# Altium PCB PROC114E3_BRD.PcbDoc (part 8 of 18)
Units mm, origin at the board's own origin, x right, y up, seen from the top; angles counter-clockwise.
Board outline 85 x 155.18 mm, 10 copper layers (TOP, L02_GND1, L03_SIG1, L04_GND2, L05_PWR1, L06_PWR2, L07_GND3, L08_SIG2, L09_GND4, BOTTOM), stack 1.134 mm thick; 1389 components, 1010 nets, 5137 pads, 3263 vias.
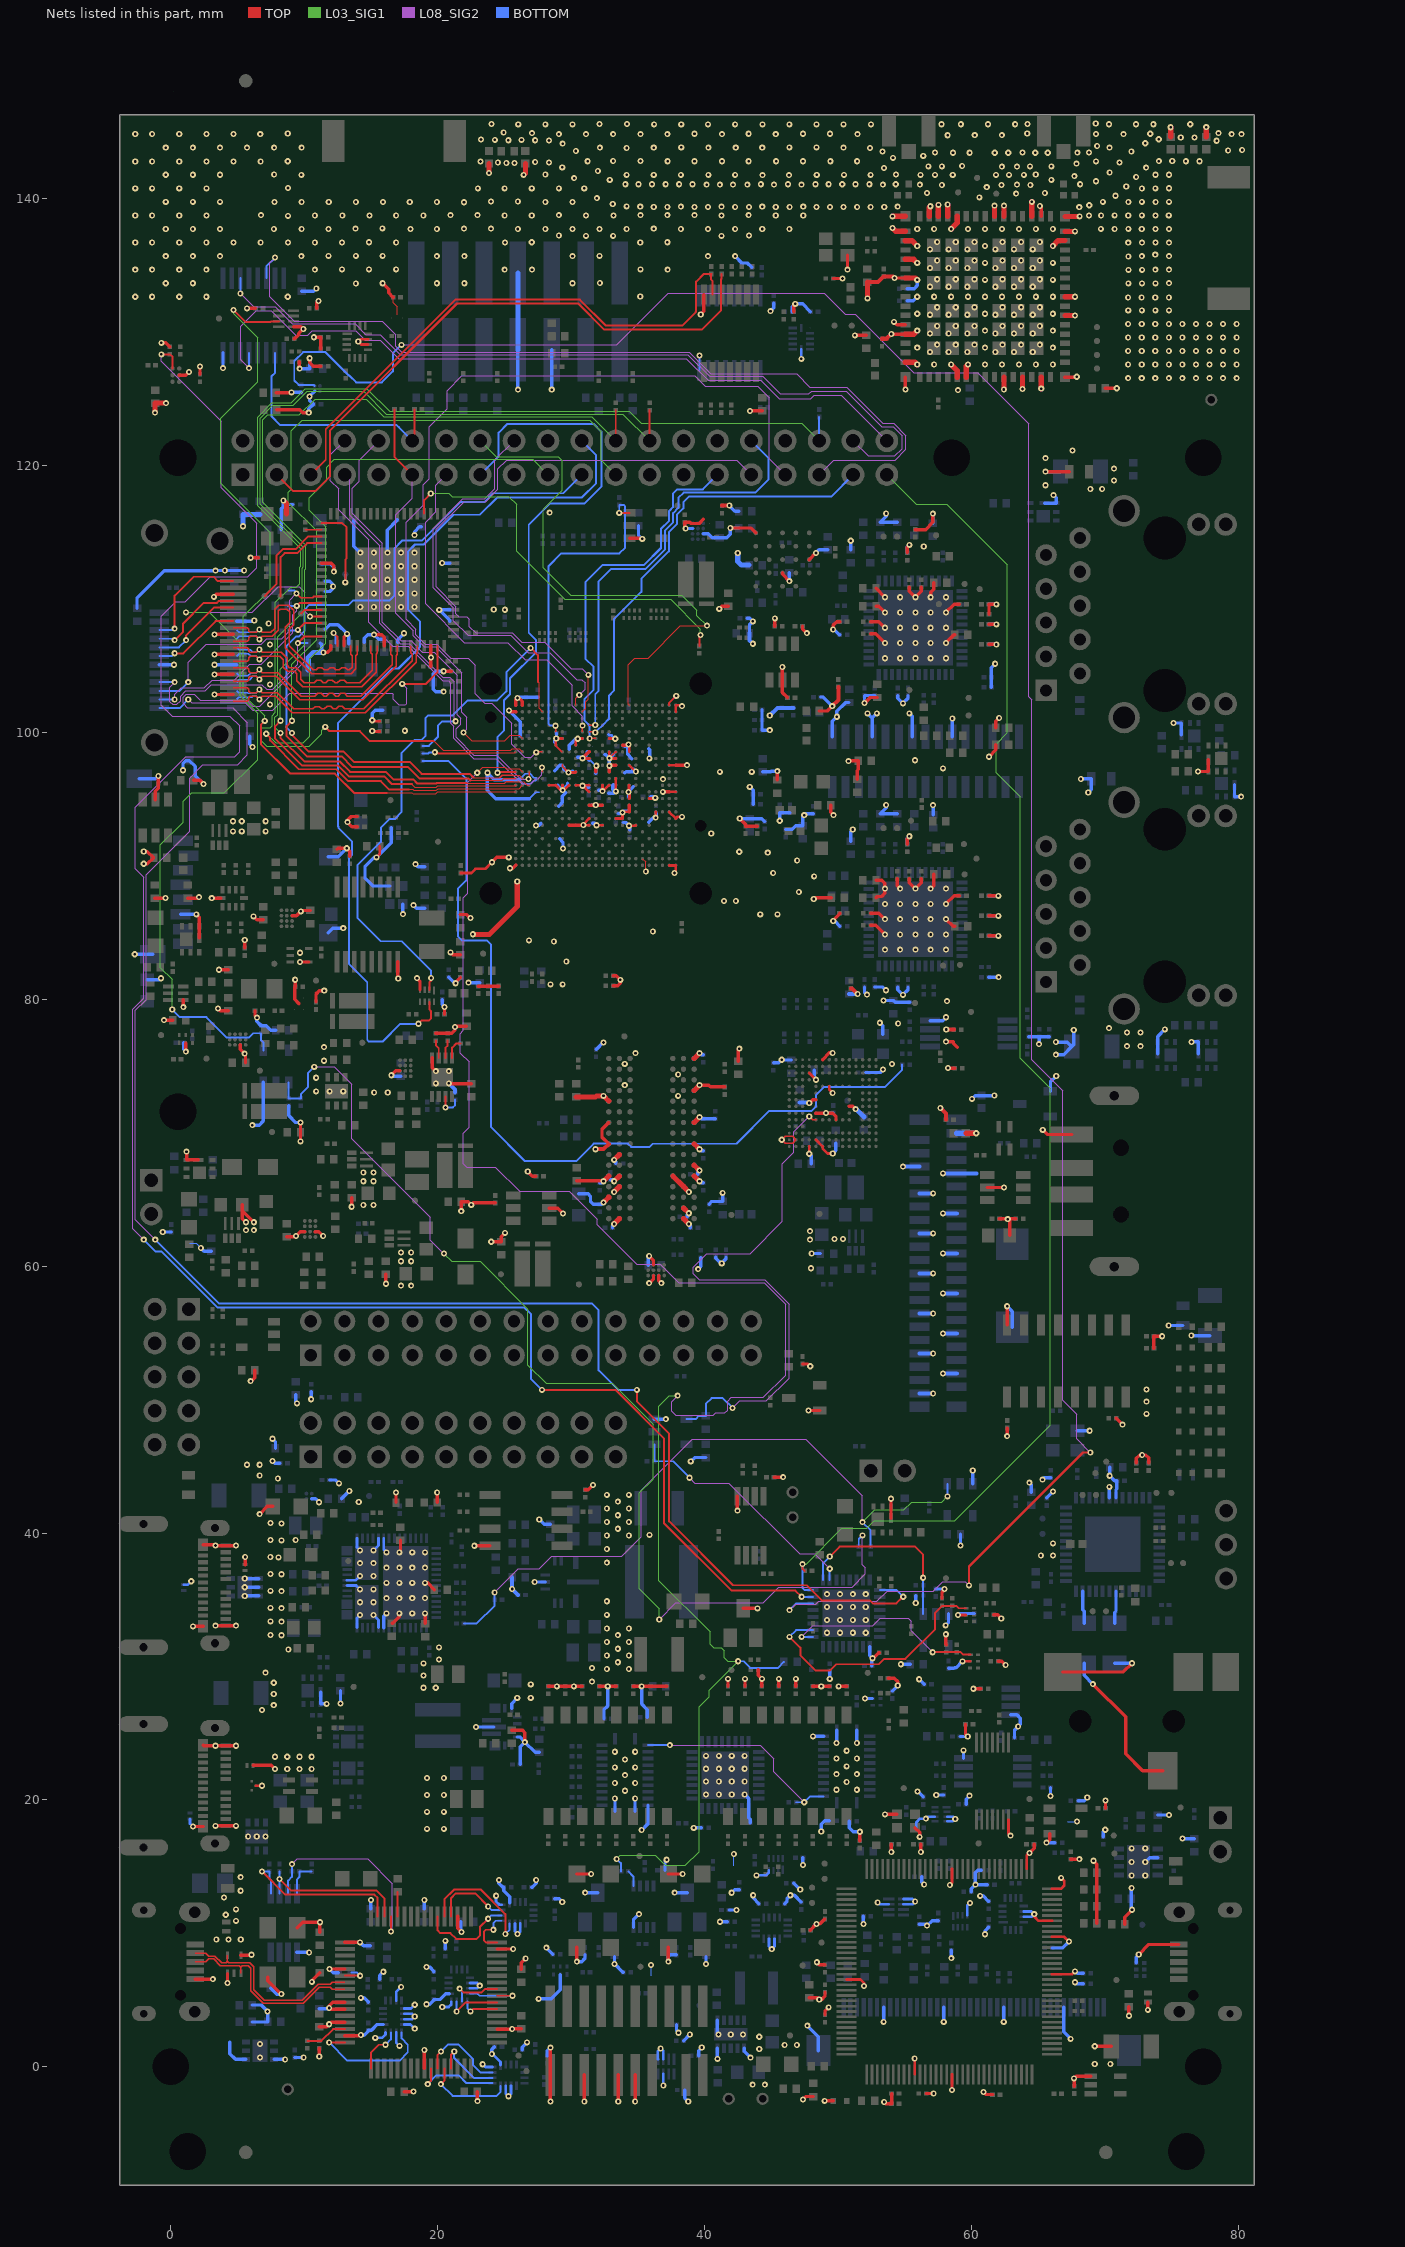
[diagram p16: the nets of this part, all layers, seen from the top]

## Via types
v1: diameter 0.457, hole 0.203, TOP to BOTTOM, 3263 vias

## Nets (pads, with @x,y where several pads share a name; then routed paths per layer and width w, separated by ;. In a path a pad name is that pad's centre, name@x,y a point inside that pad or via, vN(x,y) a via of type N, cw(c..) or ccw(c..) an arc to the next point about the centre after c; other vN are vias at no path point) (continued)
DGND: (continued)
  other v1: 43.618,-1.344 44.532,-1.344 69.254,0.213 70.423,0.213 6.698,0.691 44.108,1.331 46.013,1.636 46.928,1.636 6.698,1.707 44.108,2.245 41.975,2.423 42.889,2.423 4.891,10.932 4.129,11.389 4.891,11.796 4.002,12.685 5.246,13.193 5.246,14.209 72.023,14.336 73.039,14.336 72.023,15.352 72.023,16.368 73.039,16.368 5.804,17.259 6.454,17.259 7.104,17.259 19.205,17.831 20.475,17.831 19.205,19.101 20.475,19.101 19.205,20.371 20.475,20.371 40.121,20.406 41.086,20.406 42.051,20.406 34.05,20.686 49.9,20.762 51.424,20.762 33.288,21.27 34.812,21.27 50.662,21.346 40.121,21.372 41.086,21.372 42.051,21.372 43.016,21.372 19.205,21.641 20.475,21.641 34.05,21.854 49.9,21.93 51.424,21.93 8.739,22.317 9.653,22.317 10.568,22.317 40.121,22.337 41.086,22.337 42.051,22.337 43.016,22.337 33.288,22.438 34.812,22.438 50.662,22.515 34.05,23.023 49.9,23.099 51.424,23.099 7.824,23.231 8.739,23.231 9.653,23.231 10.568,23.231 40.121,23.302 41.086,23.302 42.051,23.302 43.016,23.302 33.288,23.607 34.812,23.607 50.662,23.683 6.847,26.744 7.724,27.099 26.989,27.645 7.724,27.937 18.95,28.407 19.864,28.407 26.989,28.661 7.724,28.776 31.57,28.865 18.95,29.322 7.11,29.538 32.688,29.804 34.339,29.804 31.57,29.881 18.95,30.236 33.514,30.312 20.105,30.516 32.688,30.82 34.339,30.82 8.82,31.278 33.514,31.328 20.105,31.43 32.688,31.836 34.339,31.836 8.3,32.339 33.514,32.344 7.487,32.364 49.194,32.524 50.159,32.524 51.124,32.524 52.089,32.524 32.688,32.852 34.339,32.852 8.3,33.355 7.487,33.38 49.194,33.489 50.159,33.489 51.124,33.489 52.089,33.489 32.688,33.868 18.103,33.979 8.3,34.371 7.487,34.396 49.194,34.454 50.159,34.454 51.124,34.454 52.089,34.454 32.688,34.884 16.172,35.122 17.138,35.122 18.103,35.122 19.068,35.122 49.194,35.419 50.159,35.419 51.124,35.419 52.089,35.419 8.3,35.641 7.487,35.666 16.172,36.265 17.138,36.265 18.103,36.265 8.3,36.911 7.487,36.936 16.172,37.408 17.138,37.408 18.103,37.408 19.068,37.408 32.688,37.78 8.079,38.181 7.469,38.206 65.216,38.313 66.13,38.313 18.103,38.551 19.068,38.551 32.688,38.796 66.13,39.228 8.3,39.451 7.487,39.476 9.368,39.472 32.688,39.812 34.339,39.812 35.879,39.863 33.514,40.32 8.3,40.721 7.487,40.746 32.688,40.828 34.339,40.828 33.514,41.336 32.688,41.844 34.339,41.844 14.098,42.321 33.514,42.352 32.688,42.86 34.339,42.86 8.035,44.079 6.669,44.308 5.724,45.121 6.669,45.121 73.141,48.929 73.141,49.844 10.53,50.023 73.141,50.758 17.261,58.54 18.023,58.54 47.987,59.84 17.261,60.369 18.023,60.369 17.261,61.029 18.023,61.029 47.918,61.986 49.747,62.037 50.382,62.037 47.918,62.621 5.644,62.698 6.233,62.698 14.441,64.585 15.203,64.585 14.441,66.363 15.203,66.363 14.441,67.023 15.203,67.023 38.034,72.766 15.254,73.01 16.27,73.01 10.901,73.103 11.917,73.103 12.933,73.103 34.034,73.566 19.874,73.698 10.901,74.119 38.034,74.366 20.85,74.612 54.065,75.143 34.034,75.165 11.495,75.397 34.834,75.966 49.61,75.981 11.495,76.413 54.522,78.191 58.177,79.863 28.471,81.123 29.38,81.123 29.651,82.828 9.691,83.487 53.53,83.717 54.673,83.717 55.816,83.717 56.959,83.717 58.102,83.717 28.716,84.338 26.862,84.414 54.673,84.86 55.816,84.86 56.959,84.86 58.102,84.86 36.138,85.084 54.673,86.003 55.816,86.003 56.959,86.003 44.184,86.369 45.472,86.369 53.53,87.146 54.673,87.146 55.816,87.146 56.959,87.146 41.464,87.366 42.361,87.366 47.08,88.047 58.102,88.289 48.223,89.215 45.15,89.471 46.952,90.406 44.745,90.993 42.615,91.055 40.513,92.431 4.668,92.584 5.328,92.584 7.118,92.584 4.668,93.346 5.328,93.346 7.118,93.346 36.899,96.501 41.159,97.047 43.547,97.047 57.879,97.31 55.784,97.917 17.551,100.127 7.448,102.096 7.448,103.596 7.448,105.096 53.53,105.561 54.673,105.561 55.816,105.561 56.959,105.561 58.102,105.561 7.448,106.596 54.673,106.704 55.816,106.704 56.959,106.704 54.673,107.847 55.816,107.847 56.959,107.847 58.102,107.847 7.345,108.157 54.673,108.99 55.816,108.99 56.959,108.99 25.044,109.195 24.211,109.22 14.213,109.408 15.229,109.408 16.245,109.408 17.261,109.408 18.277,109.408 54.673,110.133 58.102,110.133 14.213,110.424 15.229,110.424 16.245,110.424 17.261,110.424 18.277,110.424 14.213,111.44 15.229,111.44 16.245,111.44 17.261,111.44 18.277,111.44 14.213,112.456 15.229,112.456 16.245,112.456 17.261,112.456 18.277,112.456 20.344,112.691 15.229,113.472 17.261,113.472 18.277,113.472 56.439,113.927 28.4,116.471 65.571,118.527 65.571,120.559 67.582,121.135 59.004,125.654 71.758,126.551 72.774,126.551 73.79,126.551 74.806,126.551 75.822,126.551 76.838,126.551 77.854,126.551 78.87,126.551 79.886,126.551 57.222,127.569 61.032,127.569 62.302,127.569 63.572,127.569 64.842,127.569 66.112,127.569 71.758,127.567 72.774,127.567 73.79,127.567 74.806,127.567 75.822,127.567 76.838,127.567 77.854,127.567 78.87,127.567 79.886,127.567 56.908,128.503 58.307,128.503 59.708,128.503 61.808,128.503 63.207,128.503 64.607,128.503 71.758,128.583 72.774,128.583 73.79,128.583 74.806,128.583 75.822,128.583 76.838,128.583 77.854,128.583 78.87,128.583 79.886,128.583 55.952,128.839 61.032,128.839 66.112,128.839 57.441,129.062 58.841,129.062 60.241,129.062 62.341,129.062 63.741,129.062 65.141,129.062 71.758,129.599 72.774,129.599 73.79,129.599 74.806,129.599 75.822,129.599 76.838,129.599 77.854,129.599 78.87,129.599 79.886,129.599 56.908,129.903 58.307,129.903 59.708,129.903 61.808,129.903 63.207,129.903 64.607,129.903 61.032,130.109 66.112,130.109 57.441,130.462 58.841,130.462 60.241,130.462 62.341,130.462 63.741,130.462 65.141,130.462 71.758,130.615 72.774,130.615 73.79,130.615 74.806,130.615 75.822,130.615 76.838,130.615 77.854,130.615 78.87,130.615 79.886,130.615 56.908,131.303 58.307,131.303 59.708,131.303 61.808,131.303 63.207,131.303 64.607,131.303 55.952,131.379 61.032,131.379 66.112,131.379 71.767,131.633 72.783,131.633 73.799,131.633 74.815,131.633 57.441,131.862 58.841,131.862 60.241,131.862 62.341,131.862 63.741,131.862 65.141,131.862 71.758,132.594 72.774,132.594 73.79,132.594 74.806,132.594 -2.657,132.651 -1.387,132.651 0.645,132.651 2.677,132.651 8.773,132.651 57.222,132.649 58.492,132.649 59.762,132.649 61.032,132.649 62.302,132.649 63.572,132.649 64.842,132.649 66.112,132.649 35.191,132.672 56.908,133.403 58.307,133.403 59.708,133.403 61.808,133.403 63.207,133.403 64.607,133.403 13.88,133.638 -0.368,133.663 1.664,133.663 19.948,133.664 22.008,133.663 30.111,133.663 71.772,133.657 72.788,133.657 73.804,133.657 32.168,133.688 74.816,133.668 61.032,133.919 66.112,133.919 57.441,133.962 58.841,133.962 60.241,133.962 62.341,133.962 63.741,133.962 65.141,133.962 -2.657,134.683 -1.387,134.683 0.645,134.683 2.677,134.683 10.807,134.679 25.031,134.679 27.088,134.679 37.248,134.679 71.789,134.669 72.805,134.669 73.796,134.681 74.827,134.68 12.839,134.704 14.871,134.704 16.903,134.704 35.216,134.704 56.908,134.803 58.307,134.803 59.708,134.803 61.808,134.803 63.207,134.803 64.607,134.803 61.032,135.189 66.112,135.189 57.441,135.362 58.841,135.362 60.241,135.362 62.341,135.362 63.741,135.362 65.141,135.362 71.77,135.669 -0.368,135.695 1.664,135.695 3.696,135.695 9.791,135.695 19.948,135.696 22.008,135.695 30.111,135.695 40.271,135.695 72.782,135.696 74.818,135.696 11.823,135.72 13.88,135.72 15.887,135.72 32.143,135.72 73.793,135.808 56.908,136.203 58.307,136.203 59.708,136.203 61.808,136.203 63.207,136.203 64.607,136.203 61.032,136.459 -2.657,136.715 -1.387,136.715 0.645,136.715 2.677,136.715 4.709,136.715 6.741,136.715 8.8,136.711 10.807,136.711 12.839,136.711 16.903,136.711 25.056,136.711 35.191,136.711 71.766,136.706 72.793,136.703 73.803,136.713 74.827,136.703 14.871,136.736 27.063,136.736 37.223,136.736 57.441,136.762 58.841,136.762 60.241,136.762 62.341,136.762 63.741,136.762 65.141,136.762 31.127,137.219 33.159,137.219 41.287,137.219 29.095,137.244 43.344,137.244 -0.368,137.727 1.664,137.727 3.696,137.727 7.733,137.727 9.816,137.727 11.823,137.727 17.969,137.727 19.951,137.727 26.021,137.727 28.079,137.727 30.111,137.727 32.143,137.727 34.175,137.727 38.239,137.727 40.271,137.727 42.303,137.727 44.335,137.727 46.367,137.727 55.952,137.729 57.222,137.729 59.762,137.729 61.032,137.729 62.302,137.729 63.572,137.729 64.842,137.729 66.112,137.729 70.748,137.729 72.781,137.727 73.804,137.726 74.817,137.727 13.855,137.752 21.983,137.752 24.015,137.752 36.207,137.752 69.712,137.738 71.77,137.738 15.861,137.778 8.8,138.718 -2.655,138.745 -1.385,138.745 0.647,138.745 2.679,138.745 10.807,138.743 12.864,138.743 14.896,138.743 16.903,138.743 18.935,138.743 25.031,138.743 27.063,138.743 31.127,138.743 33.184,138.743 41.287,138.743 45.351,138.743 47.408,138.743 68.829,138.738 69.734,138.743 71.766,138.745 73.8,138.739 6.768,138.768 20.967,138.768 22.999,138.768 29.095,138.768 35.216,138.768 37.223,138.768 39.255,138.768 43.319,138.768 70.747,138.749 72.781,138.749 74.804,138.749 36.207,139.378 37.223,139.378 39.255,139.378 40.271,139.378 42.303,139.378 43.344,139.378 45.351,139.378 46.392,139.378 48.399,139.378 49.415,139.378 50.431,139.378 51.447,139.378 52.463,139.378 53.479,139.378 68.096,139.369 35.191,139.403 38.239,139.403 41.287,139.403 44.335,139.403 47.408,139.403 54.486,139.402 34.175,139.429 68.843,139.507 33.133,139.607 21.983,139.734 -0.366,139.763 1.666,139.763 3.698,139.763 7.784,139.759 9.816,139.759 11.848,139.759 13.88,139.759 15.912,139.759 17.919,139.759 19.951,139.759 28.079,139.759 30.111,139.759 71.77,139.749 73.816,139.76 74.814,139.762 24.015,139.784 26.021,139.784 69.865,139.766 72.785,139.764 31.939,140.038 60.605,140.102 70.817,140.22 63.362,140.376 56.679,140.419 65.518,140.419 -2.655,140.777 -1.385,140.777 0.647,140.777 2.679,140.777 23.024,140.775 25.031,140.775 27.063,140.775 29.095,140.775 31,140.775 72.781,140.772 73.799,140.779 8.8,140.8 74.816,140.784 61.163,140.864 71.616,140.908 57.797,141.029 62.265,141.031 64.426,141.029 40.169,141.054 41.16,141.054 42.15,141.054 43.217,141.054 45.224,141.054 47.281,141.054 53.377,141.054 56.146,141.054 63.435,141.054 34.073,141.08 35.064,141.08 36.08,141.08 37.096,141.08 38.112,141.08 39.102,141.08 44.233,141.08 46.265,141.08 48.322,141.08 49.313,141.08 50.329,141.08 51.32,141.08 52.361,141.08 54.342,141.08 68.16,141.08 69.354,141.308 32.905,141.41 66.002,141.416 30.238,141.537 72.357,141.619 67.728,141.689 44.36,141.766 46.341,141.766 -0.369,141.793 1.663,141.793 3.695,141.793 9.791,141.791 34.175,141.791 36.207,141.791 38.239,141.791 40.296,141.791 42.303,141.791 48.424,141.791 50.456,141.791 52.463,141.791 56.196,141.791 57.289,141.791 58.609,141.791 61.861,141.791 62.826,141.791 63.943,141.791 73.804,141.795 74.813,141.793 7.759,141.816 28.079,141.816 54.368,141.816 64.832,141.816 70.37,141.969 32.016,142.07 53.453,142.299 29.349,142.35 73.105,142.33 62.292,142.401 63.435,142.401 56.781,142.426 57.797,142.426 64.401,142.426 66.005,142.426 59.321,142.451 67.88,142.629 25.158,142.68 25.767,142.68 24.523,142.705 28.358,142.705 71.106,142.705 27.317,142.756 -2.655,142.784 -1.385,142.784 0.647,142.784 2.679,142.784 4.711,142.784 6.743,142.782 23.227,142.782 8.775,142.807 31.254,142.807 37.248,142.807 39.255,142.807 41.312,142.807 43.319,142.807 45.376,142.807 47.383,142.807 49.44,142.807 51.447,142.807 69.356,142.799 74.06,142.811 76.084,142.809 77.099,142.809 33.159,142.832 35.216,142.832 75.067,142.826 54.139,143.061 56.4,143.213 58.635,143.442 59.879,143.442 61.759,143.442 62.775,143.442 64.798,143.44 65.732,143.445 57.289,143.467 63.842,143.467 67.953,143.451 68.83,143.456 53.352,143.544 71.995,143.544 30.365,143.569 79.249,143.612 80.301,143.645 34.175,143.798 52.412,143.798 -0.369,143.825 1.663,143.825 3.695,143.825 5.727,143.825 7.759,143.823 9.816,143.823 32.168,143.823 36.207,143.823 40.296,143.823 42.353,143.823 44.335,143.823 50.431,143.823 70.367,143.822 38.264,143.848 46.367,143.848 48.399,143.848 69.432,143.952 29.374,144.128 73.037,144.153 28.358,144.356 78.391,144.344 25.31,144.382 27.317,144.382 24.294,144.407 26.301,144.407 23.253,144.433 74.053,144.458 75.7,144.592 76.724,144.592 58.228,144.757 60.259,144.76 62.295,144.76 -2.655,144.841 -1.385,144.841 0.647,144.841 2.679,144.841 4.711,144.841 6.717,144.839 29.095,144.839 31.127,144.839 33.159,144.839 35.216,144.839 37.223,144.839 41.312,144.839 45.351,144.839 51.472,144.839 71.411,144.839 79.514,144.839 80.25,144.839 39.255,144.864 43.319,144.864 47.383,144.864 49.415,144.864 69.356,144.845 73.418,144.864 8.775,144.89 64.2,144.892 27.088,144.915 78.523,144.915 24.954,144.966 26.047,145.576 28.079,145.576 30.111,145.576 36.232,145.576 38.264,145.576 40.271,145.576 42.303,145.576 44.36,145.576 46.367,145.576 48.399,145.576 50.431,145.576 52.488,145.576 57.774,145.578 59.219,145.578 61.248,145.578 63.291,145.578 70.317,145.577 72.351,145.577 73.649,145.578 24.04,145.601 32.143,145.601 34.2,145.601 64.213,145.601 76.413,145.581 69.331,145.628
DIR:  | length 16.3
  L08_SIG2 w0.091: v1(37.413,24.104) 44.195,24.104 45.201,23.099 45.201,22.108 v1(47.487,19.822)
  BOTTOM w0.147: 35.775,24.104 v1(37.413,24.104) ; 46.877,19.822 v1(47.487,19.822) 47.929,20.265 48.937,20.265
DRAIN1:  | length 3.2
  BOTTOM w0.203: 13.22,36.465 13.877,36.465 v1(14.187,36.775) ; 13.97,39.615 13.97,38.922 v1(14.187,38.705) ; v1(15.203,38.705) 15.57,39.072 15.57,39.615
  other v1: 15.203,36.775 14.187,37.74 15.203,37.74
DRAIN2:  | length 3.2
  BOTTOM w0.203: 13.22,36.065 13.902,36.065 v1(14.187,35.78) ; 13.97,32.915 13.97,33.633 v1(14.187,33.85) ; v1(15.203,33.85) 15.57,33.483 15.57,32.915
  other v1: 14.187,34.815 15.203,34.815 15.203,35.78
EEPROM_A0:  | length 1.5
  TOP w0.147: 21.092,75.605 21.092,76.384 21.394,76.686 21.72,76.686
EEPROM_A1:  | length 1.4
  TOP w0.147: 20.592,75.605 20.592,76.367 20.76,76.535 20.76,76.897
EEPROM_A2:  | length 1.4
  TOP w0.147: 19.871,76.897 19.871,76.546 20.092,76.324 20.092,75.605
EEPROM_VDD:  | length 2.2
  TOP w0.381: 59.59,69.959 v1(60.376,69.959)
  BOTTOM w0.381: 58.912,69.959 v1(60.376,69.959)
EEPROM_WP:  | length 2
  TOP w0.147: v1(20.592,71.892) 20.592,72.705
  BOTTOM w0.147: v1(20.592,71.892) 21.147,71.892 21.325,72.07 21.325,72.476
EMMC_RSTN:  | length 41.7
  TOP w0.147: v1(47.86,71.222) 48.11,70.972 48.36,70.972
  L08_SIG2 w0.091: v1(42.113,49.378) 42.638,49.903 44.653,49.903 46.357,51.607 46.357,57.154 44.542,58.969 39.609,58.969 39.157,59.421 39.157,59.935 40.167,60.945 43.421,60.945 45.836,63.359 45.836,67.68 46.699,68.543 46.699,70.061 v1(47.86,71.222)
  BOTTOM w0.147: 38.651,48.537 39.346,48.537 39.581,48.773 40.114,48.773 40.114,49.69 40.538,50.114 41.377,50.114 v1(42.113,49.378)
ETH1_EARTH: 
  other v1: 71.667,76.49 72.683,76.49 71.667,77.506 72.683,77.506 70.321,77.836
ETH2_EARTH: 
  other v1: 68.924,118.247 69.813,118.247 70.702,118.882 70.702,119.771
EXP_CLKOUT0:  | length 26.4
  L08_SIG2 w0.091: 13.037,119.314 13.413,118.938 13.413,116.271 15.676,114.009 15.676,108.177 17.189,106.664 17.315,106.664 17.327,106.652 17.88,106.652 20.41,104.121 20.918,104.121 21.243,103.797 21.243,100.948 v1(21.355,100.835)
  BOTTOM w0.147: 18.876,98.992 19.348,98.992 20.05,99.694 20.05,100.538 20.348,100.835 v1(21.355,100.835)
EXP_EHRPWM1_B:  | length 67
  TOP w0.102: v1(27.402,98.507) 27.44,98.545 27.86,98.545
  L08_SIG2 w0.091: v1(27.402,98.507) 27.035,98.14 26.534,98.14 25.551,99.122 25.551,100.7 24.054,102.197 23.531,102.197 22.838,102.889 22.838,105.047 22.313,105.573 20.998,105.573 19.953,106.618 19.098,106.618 18.383,107.333 18.383,107.728 17.644,108.466 17.644,115.757 18.913,117.026 18.913,118.564 19.369,119.02 19.369,122.909 20.73,124.27 20.73,125.622 21.831,126.722 39.294,126.722 40.082,125.934 43.982,125.934 44.846,125.07 44.846,120.525 46.057,119.314
EXP_GPIO0_14:  | length 67.6
  TOP w0.147: v1(18.569,78.166) 18.797,78.395 19.357,78.395 19.505,78.542 19.505,79.122 19.385,79.242 19.385,79.812
  BOTTOM w0.147: v1(18.569,78.166) 17.206,78.166 15.875,76.835 14.859,76.835 14.732,76.962 14.732,81.293 13.359,82.666 13.359,90.575 13.6,90.816 13.6,91.81 12.584,92.826 12.584,92.917 12.549,92.953 12.549,100.719 16.62,104.791 17.075,104.791 18.673,106.388 18.673,108.327 17.78,109.22 17.78,113.554 18.311,114.085 18.967,114.085 21.197,116.314 23.177,116.314 24.469,117.605 30.822,117.605 31.894,118.677 31.894,120.777 30.817,121.854
EXP_GPIO0_14_LT:  | length 42.3
  TOP w0.081: 27.52,103.796 27.611,103.705 27.611,101.795 27.86,101.545
  TOP w0.147: 19.385,80.712 19.385,81.268 19.521,81.404 v1(19.521,81.595) ; v1(26.976,106.334) 27.52,105.79 27.52,103.796
  BOTTOM w0.147: v1(19.521,81.595) 19.521,82.154 17.324,84.351 15.762,84.351 13.989,86.124 13.989,90.033 15.762,91.806 15.762,92.873 16.397,93.508 16.778,93.508 17.311,94.041 17.311,98.461 18.302,99.451 18.81,99.451 19.089,99.731 19.089,101.051 19.318,101.28 21.143,101.28 22.242,102.379 24.456,102.379 25.156,103.08 25.156,104.513 v1(26.976,106.334)
EXP_GPIO0_33:  | length 49.2
  TOP w0.081: 30.86,101.545 31.111,101.795 31.111,102.311 31.3,102.501 v1(31.3,104.318)
  L08_SIG2 w0.091: v1(31.3,104.318) 30.836,104.782 30.023,104.782 28.052,106.753 26.329,106.753 25.607,107.475 22.85,107.475 22.39,107.936 22.39,108.488 22.198,108.679 21.6,108.679 21.381,108.898 21.381,109.417 19.898,110.901 19.898,115.214 21.987,117.303 23.615,117.303 24.527,118.215 24.527,119.75 25.191,120.413 42.418,120.413 43.517,119.314
EXP_GPIO0_36:  | length 28
  TOP w0.102: v1(31.401,99.545) 31.86,99.545
  BOTTOM w0.147: v1(31.401,99.545) 31.401,100.512 31.005,100.908 31.005,102.503 31.705,103.203 31.705,104.908 31.087,105.527 31.087,111.267 32.353,112.533 35.458,112.533 36.747,113.822 36.747,115.25 37.356,115.859 37.356,116.594 37.669,116.907 37.657,116.92 37.657,117.908 37.97,118.222 39.885,118.222 40.977,119.314
EXP_GPIO0_38:  | length 39.9
  TOP w0.081: 34.36,102.045 34.293,102.113 34.293,105.084 34.784,105.575 35.776,105.575 38.202,108.001 v1(40.197,108.001)
  L03_SIG1 w0.091: 23.197,121.854 24.393,120.658 29.055,120.658 29.342,120.371 29.342,118.149 27.905,116.712 27.905,112.353 29.967,110.291 38.3,110.291 39.439,109.152 39.439,108.759 v1(40.197,108.001)
EXP_GPIO0_39:  | length 31.3
  TOP w0.081: 30.36,102.045 30.36,102.544 v1(30.625,102.808)
  L08_SIG2 w0.091: 25.737,121.854 24.301,120.418 24.301,118.263 23.535,117.496 21.907,117.496 19.689,115.278 19.689,110.836 21.188,109.337 21.188,108.373 22.289,107.272 25.5,107.272 26.794,105.978 28.414,105.978 30.434,103.958 30.814,103.958 31.057,103.715 31.057,103.24 v1(30.625,102.808)
EXP_GPIO0_40/PR0_ECAP0_IN_APWM_:  | length 32.3
  TOP w0.102: 31.361,100.545 31.806,100.545 v1(31.82,100.559)
  BOTTOM w0.147: v1(31.82,100.559) 31.82,102.872 32.081,103.133 32.081,111.33 32.989,112.239 35.583,112.239 37.041,113.697 37.041,115.128 37.65,115.737 37.65,116.434 38.052,116.836 38.052,117.584 38.439,117.971 43.81,117.971 44.791,118.952 44.791,120.58 43.517,121.854
EXP_GPIO0_41:  | length 34
  TOP w0.102: 31.361,100.045 31.774,100.045 31.818,100.001 v1(31.82,100.001)
  BOTTOM w0.102: v1(31.82,100.001) 32.52,100.7 32.527,100.7 32.738,100.911
  BOTTOM w0.147: 32.738,100.911 32.852,101.025 32.852,102.754 33.223,103.125 33.223,108.468 35.282,110.527 35.282,111.521 37.336,113.575 37.336,115.006 37.945,115.614 37.945,116.312 38.426,116.793 38.426,117.265 38.837,117.676 49.5,117.676 51.137,119.314
EXP_GPIO0_42:  | length 27.6
  TOP w0.102: 30.86,100.045 v1(30.86,100.505)
  L08_SIG2 w0.091: 20.657,119.314 19.879,118.536 19.879,116.533 19.11,115.764 19.11,109.632 22.018,106.723 25.272,106.723 26.566,105.429 28.186,105.429 30.086,103.529 30.086,101.995 30.86,101.221 v1(30.86,100.505)
EXP_GPIO1_22:  | length 44.1
  TOP w0.147: v1(24.5,96.977) 24.525,96.977 24.593,97.045 25.861,97.045
  BOTTOM w0.147: 23.197,119.314 24.574,120.691 24.574,122.475 25.214,123.116 31.71,123.116 32.28,122.545 32.28,118.412 31.01,117.142 28.398,117.142 26.835,115.579 26.835,107.484 27.395,106.924 27.395,106.023 25.43,104.058 25.43,102.856 24.968,102.393 24.968,100.135 24.5,99.666 v1(24.5,96.977)
EXP_HAT_DETECT:  | length 104.4